# KiCad board yddraig030.kicad_pcb (continued)
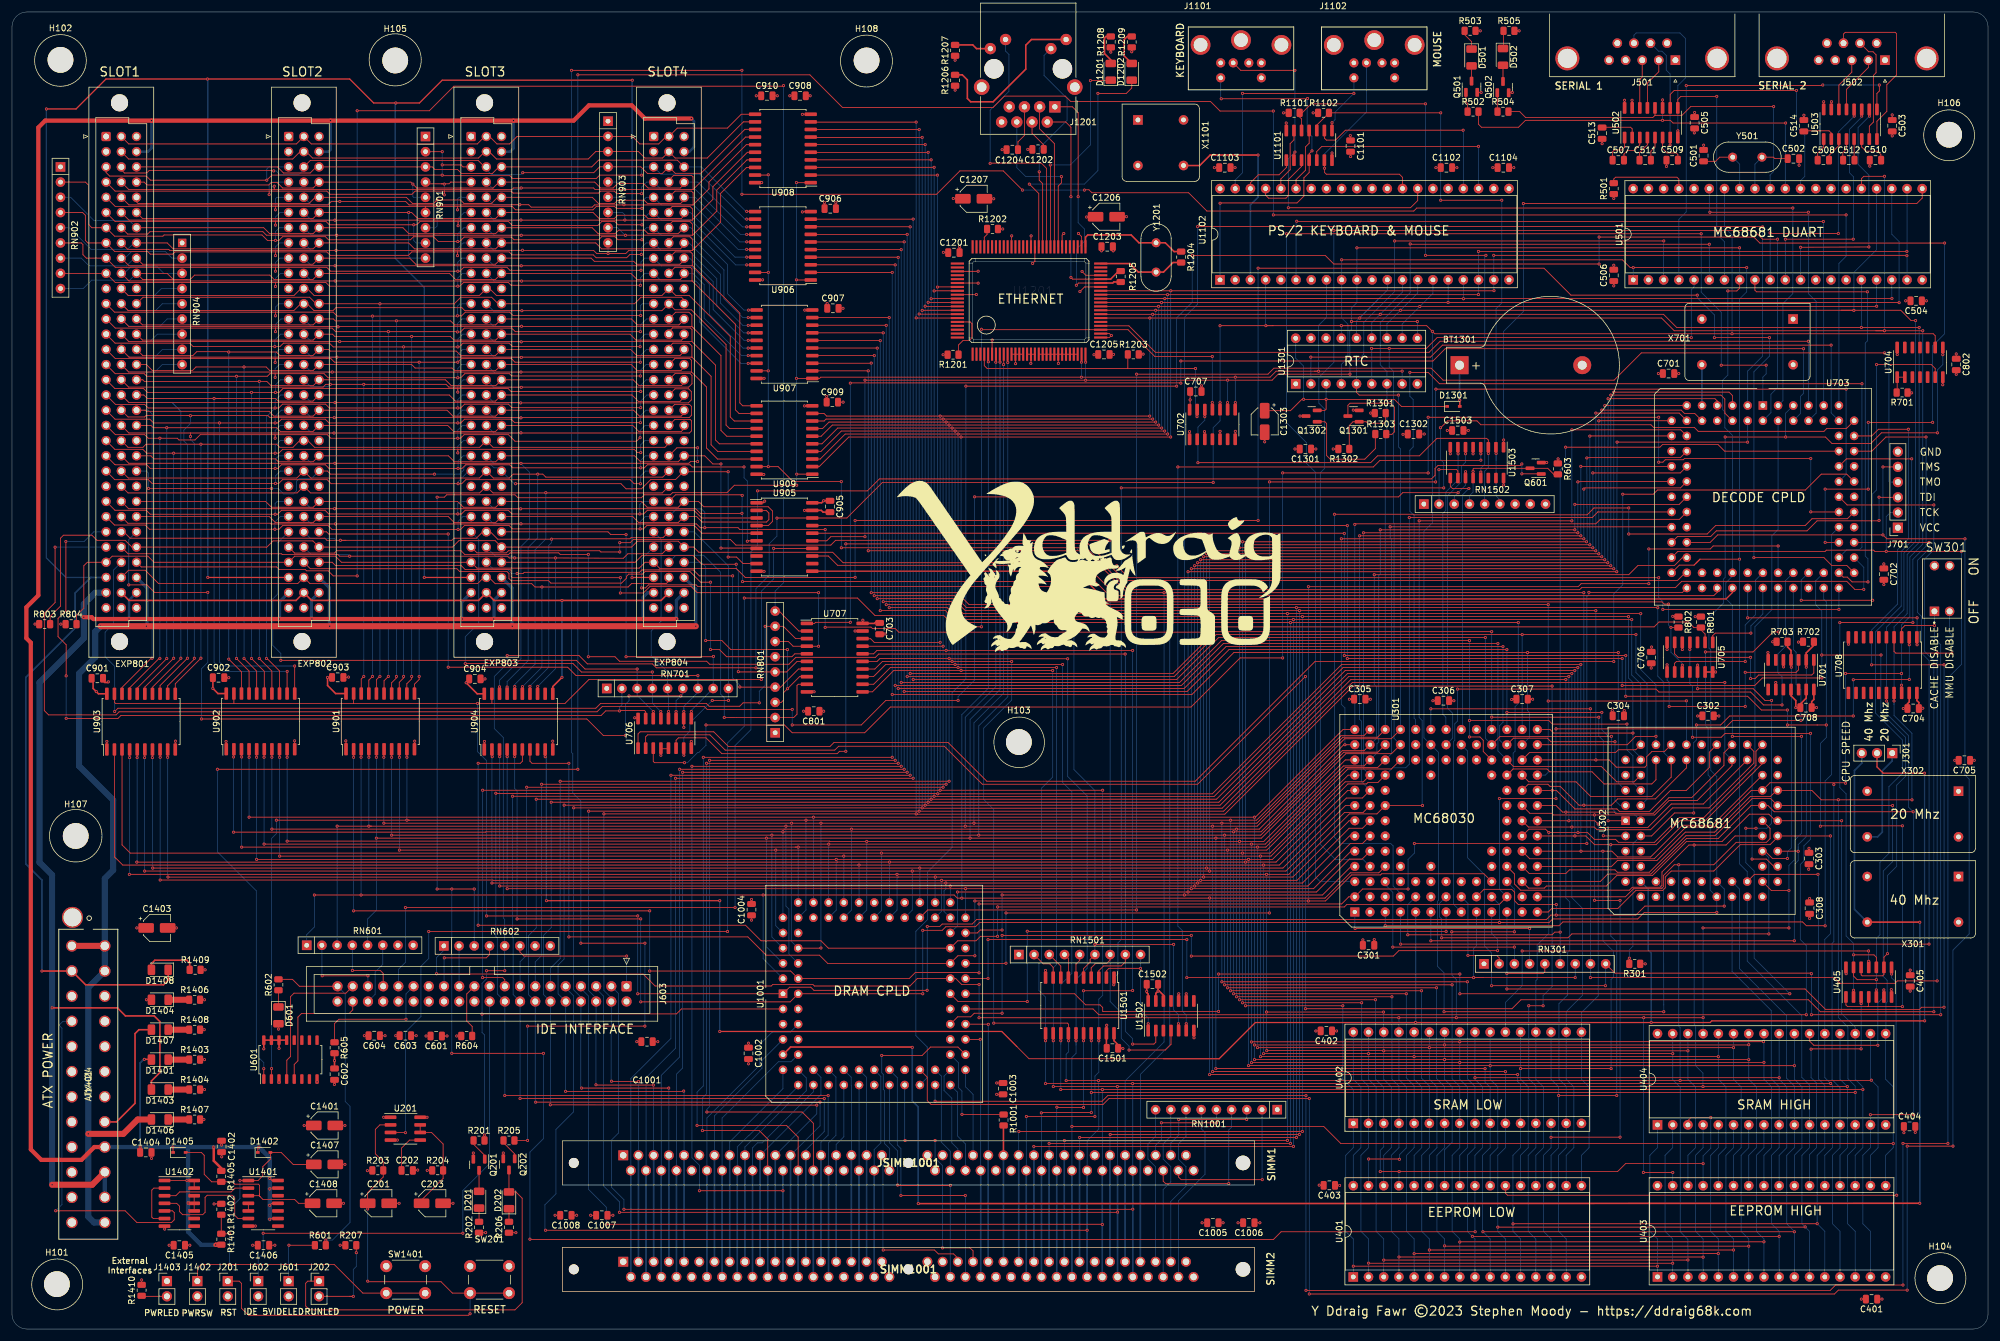
[diagram p0: board, top side]
## Routing (per net, layer and track width the routed paths; a pad name or vN(x,y) marks a point on that pad's centre or on a via; arc(x,y) is an arc through that point) (continued)
/CPU and FPU/SIZ0: length 318.5
  Top w0.127: U904.6 85.23,94.83 84.9,94.5 v1(77.85,94.5) ; v1(77.85,67.45) 122.5,67.45 125.1,64.85 135.1,64.85 136.33,63.62 U1001.50 157.93,64.85 161,64.85 161.75,65.6 v1(164.6,65.6) ; v1(257.85,88.6) v1(248.4,88.6) ; U301.L2 248.35,70.9 222.9,70.9 222.5,70.5 v1(164.6,70.5) ; v1(257.85,100.25) 285.95,100.25 287.35,101.65 v1(298.75,101.65)
  Bottom w0.127: v1(257.85,100.25) v1(257.85,88.6) ; v1(77.85,67.45) v1(77.85,94.5) ; U301.L2 248.4,73.45 v1(248.4,88.6) ; v1(164.6,70.5) v1(164.6,65.6) ; v1(298.75,101.65) 298.75,106.85 297.95,107.65 297.95,113.05 297.48,113.52 U703.47
/CPU and FPU/SIZ1: length 347.3
  Top w0.127: v1(160.8,62.35) 157.97,62.35 U1001.48 136.22,61.08 134.85,62.45 125.95,62.45 122.9,65.5 v1(93,65.5) ; v1(273.35,124.5) 262.05,124.5 261.55,124 v1(216.5,124) ; U301.K3 245.8,76.05 228.75,76.05 228.55,75.85 223.7,75.85 219.35,71.5 v1(216.5,71.5) v1(160.8,71.5) ; U904.7 86.5,94.85 86.85,94.5 v1(93,94.5) ; v1(294.95,130.8) 284.1,130.8 283.6,130.3 v1(273.35,130.3)
  Bottom w0.127: U703.46 294.94,130.79 v1(294.95,130.8) ; v1(93,65.5) v1(93,94.5) ; v1(273.35,124.5) v1(273.35,130.3) ; v1(160.8,71.5) v1(160.8,62.35) ; v1(216.5,71.5) v1(216.5,124)
/CPU and FPU/~{AS}: length 569
  Top w0.127: U704.8 v1(322.45,162.75) ; v1(104.5,69) v1(79.25,69) ; 57.05,104.5 37.05,104.5 ; 57.05,104.5 v1(77.75,104.5) 80.15,104.5 ; 57.05,104.5 57.06,104.5 U901.19 ; 37.05,104.5 17.3,104.5 17.1,104.7 17.1,106.1 U903.19 ; 37.05,104.5 37.06,104.5 U902.19 ; U904.19 80.15,104.5 ; 80.15,104.5 92.35,104.5 96.35,108.5 v1(125.15,108.5) ; v1(257.9,70.9) 251.56,70.9 250.95,71.51 250.95,72.95 250.45,73.45 245.82,73.45 U301.J2 ; v1(152.85,67.25) 154.95,67.25 155.35,67.65 160.35,67.65 161.1,68.4 256.25,68.4 257,69.15 v1(257.9,69.15) 271.2,69.15 272.7,70.65 v1(285.95,70.65) ; v1(286.1,149) 302.85,149 303.95,147.9 310.4,147.9 312.2,149.7 v1(321.55,149.7) ; v1(127.2,130.4) 127.21,130.39 U905.14 ; v1(152.82,56.57) 133.93,56.57 133.4,57.1 129.86,57.1 U1001.1 v1(104.5,56)
  Bottom w0.127: v1(127.2,130.4) 127.2,125.3 125.15,123.25 v1(125.15,108.5) ; v1(79.25,69) 79.25,94.95 77.75,96.45 v1(77.75,104.5) ; v1(152.82,56.57) 152.85,56.6 v1(152.85,67.25) ; v1(296.2,149) 296.2,152.98 U703.81 ; v1(104.5,56) v1(104.5,69) ; v1(257.9,70.9) v1(257.9,69.15) ; v1(322.45,162.75) 322.45,161.1 321.55,160.2 v1(321.55,149.7) ; v1(285.95,70.65) 285.95,73.5 U302.21 284.71,92.29 283.7,93.3 283.7,113.45 283.4,113.75 283.4,118.85 285.8,121.25 285.8,125.25 286.1,125.55 v1(286.1,149)
/CPU and FPU/~{AVEC}: length 165.5
  Top w0.127: U703.71 286.01,146.64 284.9,147.75 275.65,147.75 275.2,147.3 v1(259.45,147.3) ; v1(233.1,65.85) 257.2,65.85 257.65,66.3 v1(258.55,66.3)
  Bottom w0.127: RN301.6 258.55,61.03 v1(258.55,66.3) 258.55,143.55 259.45,144.45 v1(259.45,147.3) ; v1(233.1,65.85) 233.1,70.89 U301.E2
/CPU and FPU/~{BERR}: length 116.8
  Top w0.127: v1(295.6,104.25) 292.5,104.25 290.35,106.4 275.05,106.4 274.55,106.9 v1(241.4,106.9)
  Bottom w0.127: U301.H1 240.75,70.94 240.75,98.15 240.95,98.35 240.95,101.1 241.4,101.55 v1(241.4,106.9) ; v1(295.6,104.25) 295.6,108.95 294.9,109.65 294.9,112.75 296.15,114 296.15,124.99 U703.48
/CPU and FPU/~{CBACK}: length 129.8
  Top w0.127: v1(196.2,65.05) v1(163,65.05) ; 245.7,58.7 v1(196.2,58.7) ; 245.7,58.7 v1(261.05,58.7) ; 245.7,58.7 v1(244.1,58.7) ; v1(163,58.55) 162.99,58.54 U1001.45
  Bottom w0.127: v1(163,65.05) v1(163,58.55) ; v1(244.1,58.7) 244.05,58.75 244.05,63.5 244.57,64.02 U301.J1 ; v1(196.2,58.7) v1(196.2,65.05) ; RN301.7 261.06,58.72 v1(261.05,58.7)
/CPU and FPU/~{CBREQ}: length 115.8
  Top w0.127: v1(196.95,62.3) 230.7,62.3 231.6,63.2 v1(248.1,63.2) ; v1(165.35,52.75) 160.7,52.75 160.1,52.15 157.93,52.15 U1001.40 ; v1(196.95,65.75) v1(165.35,65.75)
  Bottom w0.127: v1(196.95,62.3) v1(196.95,65.75) ; v1(248.1,63.2) 248.1,65.1 247.11,66.09 U301.K1 ; v1(165.35,65.75) v1(165.35,52.75)
/CPU and FPU/~{CDIS}: length 203.4
  Top w0.127: RN301.9 267.69,59.45 300.4,59.45 v1(300.5,59.35) ; v1(321.05,117.5) 316.1,117.5 315.57,116.97 U708.3 ; v1(300.5,52.5) v1(322.1,52.5) ; v1(247.1,57.35) v1(266.1,57.35)
  Bottom w0.127: v1(322.1,52.5) 322.1,114.3 321.05,115.35 v1(321.05,117.5) SW301.1A ; U301.H12 243.05,96.58 243.05,78.75 245.9,75.9 245.9,64 247.1,62.8 v1(247.1,57.35) ; v1(300.5,59.35) v1(300.5,52.5) ; RN301.9 266.14,57.4 v1(266.1,57.35)
/CPU and FPU/~{CIIN}: length 215.9
  Top w0.127: v1(322.65,53.75) 318.9,53.75 318.55,53.4 307.25,53.4 307.25,53.4 302.85,53.4 299.45,56.8 v1(249.65,56.8) ; v1(249.65,59.4) 255.7,59.4 255.99,59.69 RN301.5 ; v1(322.65,110.95) v1(310.55,110.95) ; v1(316.7,150.3) 311.7,150.3 310.58,149.18 U703.72
  Bottom w0.127: v1(322.65,53.75) v1(322.65,110.95) ; U301.L1 249.65,59.4 v1(249.65,59.4) v1(249.65,56.8) ; v1(310.55,110.95) 310.55,116.75 314.9,121.1 314.9,130.21 316.7,132.01 v1(316.7,150.3)
/CPU and FPU/~{CS_FPU}: length 79.8
  Top w0.127: v1(290.6,78.5) 293,78.5 294.22,77.28 U302.29
  Bottom w0.127: v1(290.6,78.5) 290.6,92.65 291.07,93.12 291.07,117.32 293.9,120.15 293.9,132.5 294.94,133.54 U703.84
/CPU and FPU/~{DSACK0}: length 121
  Top w0.127: v1(299.65,110.55) 299.64,110.56 U701.2 ; v1(298.3,79.8) 298.28,79.82 U302.31 ; v1(297.65,64.85) v1(236.95,64.85)
  Top w0.254: R702.2 300.93,114.22 299.64,112.94 U701.2
  Bottom w0.127: v1(297.65,64.85) 297.65,77.6 298.3,78.25 298.3,80.5 ; v1(299.65,110.55) 299.65,82.25 298.3,80.9 298.3,80.5 ; v1(236.95,64.85) 236.95,64.85 U301.F1 ; 298.3,80.5 v1(298.3,79.8)
/CPU and FPU/~{DSACK1}: length 118
  Top w0.127: v1(293.4,66) 260.5,66 259.85,65.35 v1(238.75,65.35) ; v1(296.5,78.6) 294,78.6 292.78,79.82 U302.32 ; v1(297.15,110.55) 297.1,110.6 U701.4
  Top w0.254: R703.2 296.51,113.94 297.1,113.35 U701.4
  Bottom w0.127: v1(238.75,65.35) 238.75,68.5 238.4,68.85 238.4,71.11 U301.G2 ; v1(297.15,110.55) 297.15,80.35 296.5,79.7 v1(296.5,78.6) ; v1(293.4,66) 293.4,78.75 U302.32
/CPU and FPU/~{DS}: length 326.5
  Top w0.127: v1(284.71,69.59) 272.59,69.59 271.5,68.5 257.3,68.5 256.7,67.9 249.25,67.9 ; v1(83.95,95.6) 83.96,95.61 U904.5 ; v1(105,54.65) 129.95,54.65 U1001.2 v1(152.1,56) ; 249.25,67.9 161.6,67.9 160.9,67.2 155.95,67.2 155.35,66.6 v1(152.1,66.6) ; 249.25,67.9 v1(248.4,67.9) ; v1(105,68.5) v1(84.35,68.5) ; v1(295,116.45) 294.1,116.45 290.75,113.1 v1(282.8,113.1)
  Bottom w0.127: 282.8,112.3 v1(282.8,113.1) ; 282.8,112.3 282.8,100.8 283.25,100.35 283.25,92.55 283.6,92.2 283.6,73.31 U302.20 v1(284.71,69.59) ; 282.8,112.3 282.8,112.8 ; v1(105,54.65) v1(105,68.5) ; v1(248.4,67.9) 248.4,70.91 U301.K2 ; U703.45 294.94,116.51 v1(295,116.45) ; v1(152.1,56) v1(152.1,66.6) ; v1(83.95,95.6) 83.95,90.3 84.35,89.9 v1(84.35,68.5)
/CPU and FPU/~{FPUSENSE}: length 97.2
  Top w0.127: v1(270.1,61.95) 270.1,61.01 R301.2 ; v1(281.3,100.9) 285.35,100.9 286.85,102.4 v1(307.5,102.4) ; U302.4 273.81,82.36 277.65,86.2 v1(280.85,86.2) ; U708.2 316.85,115.54 v1(316.85,114.3) ; v1(316.85,108.5) 307.55,108.5 v1(307.5,108.45)
  Bottom w0.127: U302.4 270.7,81.05 270.7,63.95 270.1,63.35 v1(270.1,61.95) ; v1(307.5,108.45) v1(307.5,102.4) ; 316.85,108.7 316.85,109.15 ; 316.85,109.15 v1(316.85,108.5) ; 316.85,109.15 v1(316.85,114.3) ; v1(280.85,86.2) 280.85,97.95 281.3,98.4 v1(281.3,100.9)
/CPU and FPU/~{IPEND}: length 168.7
  Top w0.127: v1(233.45,159.8) 236.5,159.8 238.4,157.9 v1(308.95,157.9)
  Bottom w0.127: v1(233.45,159.8) 233.45,155.8 234,155.25 234,147.35 233.45,146.8 233.45,136.6 234.15,135.9 234.15,102.05 234.41,101.79 U301.E13 ; v1(308.95,157.9) 308.95,130.6 308.55,130.2 306.44,130.2 U703.57
/CPU and FPU/~{IPL0}: length 45.4
  Top w0.127: U1503.9 240.2,140.75 240.55,140.4 v1(243.3,140.4)
  Bottom w0.127: v1(243.3,140.4) 242.25,139.35 242.25,100.36 U301.H13
/CPU and FPU/~{IPL1}: length 48.5
  Top w0.127: U1503.7 241.5,147.27 v1(241.5,146.2)
  Bottom w0.127: U301.G13 239.45,100.18 239.45,102.2 238.95,102.7 238.95,136.25 239.45,136.75 239.45,139.8 241.5,141.85 v1(241.5,146.2)
/CPU and FPU/~{IPL2}: length 51.8
  Top w0.127: U1503.6 242.75,147.29 v1(242.75,146.2)
  Bottom w0.127: U301.G12 240.6,98.71 240.6,102.85 239.75,103.7 239.75,139.2 242.05,141.5 242.05,144.1 242.75,144.8 v1(242.75,146.2)
/CPU and FPU/~{MMUDIS}: length 208.4
  Top w0.127: U708.4 314.31,113.19 314.6,112.9 v1(321.5,112.9) v1(323.95,112.9) ; v1(263.6,58.7) 304.35,58.7 305.3,57.75 314.45,57.75 314.85,58.15 v1(321.5,58.15) ; v1(236.95,103.6) v1(263.6,103.6)
  Bottom w0.127: 263.61,60.04 263.61,58.71 v1(263.6,58.7) ; 263.61,60.04 263.61,103.59 v1(263.6,103.6) ; 263.61,60.04 RN301.8 ; U301.F13 236.95,103.6 v1(236.95,103.6) ; SW301.2A 323.59,116.31 323.95,115.95 v1(323.95,112.9) ; v1(321.5,112.9) v1(321.5,58.15)
/CPU and FPU/~{RESET}: length 644.1
  Top w0.127: 224.35,167.6 v1(222,167.6) ; 224.35,167.6 236.25,167.6 v1(237.2,166.65) 237.6,166.25 320.85,166.25 321.18,165.92 U704.9 ; 224.35,167.6 210.6,167.6 ; v1(124.25,110.45) 107.6,110.45 106.95,111.1 96.1,111.1 94.7,112.5 v1(82.7,112.5) ; v1(127.75,135.45) 127.78,135.47 U905.18 139.43,135.47 145.35,141.4 v1(200.6,141.4) ; v1(78.9,32.4) 78.91,32.39 R201.2 ; v1(82.3,59.85) v1(79.25,59.85) ; 210.6,167.6 v1(209.4,167.6) ; 210.6,167.6 v1(201.75,167.6) ; v1(201.75,154.75) 201.74,154.74 201.74,153.57 ; U1001.3 111.79,53.46 110.97,52.64 78.54,52.64 v1(78.5,52.6) ; v1(239.15,53) v1(275.85,53)
  Bottom w0.127: v1(127.75,135.45) 127.75,132.45 126.45,131.15 126.45,125.9 124.25,123.7 v1(124.25,110.45) ; U501.34 285.99,184.01 287.25,182.75 v1(287.25,166.25) ; v1(200.6,141.4) 200.6,150.55 201.75,151.7 201.75,155.15 ; v1(78.9,32.4) 78.9,49.15 78.5,49.55 v1(78.5,52.6) 78.5,57.75 79.25,58.5 v1(79.25,59.85) ; v1(201.75,167.6) 201.75,155.15 ; 201.75,155.15 v1(201.75,154.75) ; v1(275.85,53) 275.85,54.15 275.85,54.15 275.8,73.49 U302.13 ; U1102.4 209.36,167.64 v1(209.4,167.6) ; v1(237.2,166.65) 237.2,134.65 235.8,133.25 235.8,98.75 U301.F12 238.25,96.3 238.25,71.65 238.05,71.45 238.05,60.6 239.15,59.5 v1(239.15,53) ; v1(82.3,59.85) 82.28,59.87 RN602.5 82.28,68.42 82.05,68.65 82.05,98.8 80.55,100.3 80.55,109 82.7,111.15 v1(82.7,112.5) ; v1(222,167.6) U1301.15
/CPU and FPU/~{STERM}: length 98.4
  Top w0.127: v1(169.55,54.7) 158,54.7 U1001.44 ; v1(169.55,66.45) 169.6,66.4 v1(239.5,66.4)
  Bottom w0.127: U301.G1 239.49,66.41 v1(239.5,66.4) ; v1(169.55,66.45) v1(169.55,54.7)
/Decode and Logic/BOOTROM: length 68.2
  Top w0.127: v1(311.38,161.1) 320.52,161.1 321.18,160.44 U704.6 ; v1(298.8,121.73) v1(310.74,121.73)
  Bottom w0.127: v1(298.8,121.73) 298.8,125.1 U703.50 ; v1(310.74,121.73) 310.74,139.51 311.38,140.14 v1(311.38,161.1)
/Decode and Logic/CLK10: length 156.8
  Top w0.2: U905.11 177.76,126.58 182.4,121.95 286.25,121.95 287.32,123.02 U703.39
/Decode and Logic/EXPSEL0: length 247
  Top w0.127: 104.56,96.93 104.56,99.41 104.91,99.76 117.19,99.76 119.65,97.3 136.6,97.3 137.28,97.98 156.32,97.98 162.8,91.5 197.6,91.5 217.6,111.5 v1(267.5,111.5) ; U703.66 306.4,142.8 302.15,142.8 299.5,140.15 274.8,140.15 274.1,139.45 v1(269,139.45)
  Bottom w0.127: v1(269,139.45) 269,124.3 267.5,122.8 v1(267.5,111.5)
/Decode and Logic/EXPSEL1: length 388
  Top w0.127: 105.82,96.93 105.82,98.93 106.15,99.25 116.56,99.25 119.11,96.7 137.4,96.7 138.05,97.35 155.7,97.35 162.05,91 198,91 v1(216,109) ; v1(320.95,53) 302,53 300,55 252,55 250.5,53.5 v1(216,53.5) ; v1(320.95,137.65) 306.47,137.65 U703.65
  Bottom w0.102: 320.95,109.6 v1(320.95,53)
  Bottom w0.127: v1(216,109) v1(216,53.5) ; v1(320.95,137.65) 320.95,130.16 319.38,128.59 319.38,113.22 320.95,111.65 320.95,109.6
/Decode and Logic/EXPSEL2: length 267.5
  Top w0.127: v1(300.4,136.5) 300.42,136.48 U703.63 ; v1(115.9,100.9) 129,100.9 130.3,99.6 142.4,99.6 146.7,103.9 196.9,103.9 205.1,112.1 v1(212.2,112.1) ; v1(212.2,143) v1(236.5,143) ; U706.3 107.09,94.81 107.3,94.6 v1(112.3,94.6) ; v1(300.4,145.4) 279.3,145.4 279.1,145.2 276.1,145.2 275.7,144.8 v1(275,144.8) ; v1(236.5,152.3) v1(275,152.3)
  Bottom w0.127: v1(300.4,145.4) v1(300.4,136.5) ; v1(236.5,143) v1(236.5,152.3) ; v1(212.2,112.1) v1(212.2,143) ; v1(115.9,100.9) 115.9,97.5 114.7,96.3 114.5,96.3 112.8,94.6 v1(112.3,94.6) ; v1(275,152.3) v1(275,144.8)
/Decode and Logic/EXPSELEN: length 209.4
  Top w0.127: v1(139.25,96.5) 138.2,96.5 137.8,96.1 118.55,96.1 115.9,98.75 111.3,98.75 110.91,98.35 110.91,96.93 ; U703.34 279.42,126.32 278.15,125.05 185.85,125.05 179.7,131.2 159.25,131.2 159.2,131.15 v1(139.25,131.15)
  Bottom w0.127: v1(139.25,96.5) v1(139.25,131.15)
/Decode and Logic/INT_ETH: length 49.1
  Top w0.127: R1203.1 186.35,160.5 186.3,160.45 ; 186.3,160.45 162.85,160.45 162.38,160.93 U1201.4 ; 186.3,160.45 v1(197.65,160.45) ; 197.93,153.57 197.9,153.55 v1(197.9,152.4)
  Bottom w0.127: v1(197.65,160.45) 197.65,152.65 v1(197.9,152.4)
/Decode and Logic/RESET: length 285.1
  Top w0.127: v1(65.7,32.8) 65.67,32.83 U201.3 ; v1(161.9,117.3) 157.5,117.3 155.6,119.2 144.1,119.2 141.2,122.1 v1(122.3,122.1) ; v1(200.45,162.45) 190.85,162.45 186.38,166.93 U1201.33 161.97,166.93 v1(161.9,167) ; v1(200.45,154.75) 200.47,154.73 200.47,153.57 ; v1(69.6,66.4) v1(119.5,66.4)
  Bottom w0.127: v1(161.9,167) v1(161.9,117.3) ; v1(119.5,66.4) 119.5,97.9 122.3,100.7 v1(122.3,122.1) ; v1(200.45,154.75) v1(200.45,162.45) ; v1(65.7,32.8) 65.7,49.6 68.3,52.2 68.3,60.6 69.6,61.9 v1(69.6,66.4)
/Decode and Logic/RUN: length 475.2
  Top w0.127: v1(121.9,189.55) 154.4,189.55 158.3,193.45 165.55,193.45 v1(168.75,190.25) ; v1(95,64.45) v1(105.7,64.45) ; v1(86.1,31.5) R205.2 ; v1(121.9,210.25) v1(93.45,210.25) ; v1(179.1,190.25) 179.15,190.3 179.85,190.3 180.35,189.8 196.5,189.8 199.55,186.75 234.1,186.75 234.6,187.25 v1(297.4,187.25) ; v1(105.7,50.6) v1(86.1,50.6)
  Bottom w0.127: v1(95,64.45) 95,88.2 93.65,89.55 93.65,96.1 93.46,96.29 93.46,110.44 93.45,110.45 v1(93.45,210.25) ; v1(297.4,187.25) 297.4,172.95 295.75,171.3 295.75,155.07 U703.83 ; v1(86.1,50.6) v1(86.1,31.5) ; v1(105.7,64.45) v1(105.7,50.6) ; v1(121.9,189.55) v1(121.9,210.25) ; v1(179.1,190.25) v1(168.75,190.25)
/Decode and Logic/TCK: length 385.7
  Top w0.127: v1(154.15,38.05) 182.05,38.05 183,39 v1(216.1,39) ; v1(325.55,129.9) v1(313,129.9) 311.1,129.9 310.9,130.1 303,130.1 302.8,129.9 278.2,129.9 U703.30 ; v1(315.8,31) v1(323.3,31) ; v1(315.8,7.35) 304.55,7.35 303.65,6.45 v1(216.1,6.45)
  Bottom w0.127: U1001.30 154.16,38.06 v1(154.15,38.05) ; v1(315.8,7.35) v1(315.8,31) ; v1(216.1,39) v1(216.1,6.45) ; v1(325.55,129.9) 325.55,111 323.3,108.75 v1(323.3,31) ; J701.2 313.69,136.39 313,135.7 v1(313,129.9)
/Decode and Logic/TDI: length 43.2
  Top w0.127: U703.28 278.16,132.4 283.7,132.4 284.62,133.32 299.77,133.32 301.45,135 311.74,135 v1(311.8,135.06) ; v1(311.8,138.95) 311.82,138.93 J701.3
  Bottom w0.127: v1(311.8,135.06) v1(311.8,138.95)
/Decode and Logic/TDO: length 277.6
  Top w0.127: v1(187.8,70) 152.92,70 U1001.59 ; v1(312.7,163.05) 272.1,163.05 267.55,158.5 239,158.5 237,160.5 210.75,160.5 209.75,159.5 v1(187.8,159.5)
  Bottom w0.127: v1(187.8,70) v1(187.8,159.5) ; v1(312.7,163.05) 313.45,162.3 313.45,141.6 313.58,141.47 J701.4
/Decode and Logic/TMS: length 398.6
  Top w0.127: v1(312.45,144) 312.46,144.01 J701.5 ; v1(216.65,5.85) 304.35,5.85 305,6.5 v1(316.5,6.5) ; U1001.29 152.85,42.07 152.85,38.15 153.49,37.51 182.21,37.51 183.2,38.5 v1(216.65,38.5) ; U703.29 283.6,131.4 284.85,132.65 v1(312.45,132.65) 313.1,132 v1(326.15,132) ; v1(316.5,30.55) v1(324.15,30.55)
  Bottom w0.127: v1(216.65,38.5) v1(216.65,5.85) ; v1(312.45,132.65) v1(312.45,144) ; v1(324.15,30.55) 324.15,63.3 326.85,66 326.85,91.85 326.15,92.55 v1(326.15,132) ; v1(316.5,6.5) v1(316.5,30.55)
/Decode and Logic/~{CPLD_DSACK0}: length 16
  Top w0.127: U705.1 284.02,115.82 284.45,116.25 v1(290.4,116.25)
  Bottom w0.127: v1(290.4,116.25) 290.4,117.45 292.4,119.45 U703.43
/Decode and Logic/~{CPLD_DSACK1}: length 29.4
  Top w0.127: v1(289.45,111.5) 277.95,111.5 277.65,111.2 277.65,109.77 U705.9
  Bottom w0.127: v1(289.45,111.5) 289.45,117.6 291.15,119.3 291.15,125.07 U703.44
/Decode and Logic/~{CS_CARDPRD}: length 223.8
  Top w0.127: v1(140,158) 140.04,158.04 195.16,158.04 v1(195.2,158) ; v1(195.2,161.7) 237.3,161.7 239.35,163.75 v1(299.2,163.75) ; v1(140,118.05) 134.2,118.05 134.01,117.87 U707.1
  Bottom w0.127: v1(299.2,163.75) 299.2,156.3 298.68,155.78 298.68,152.92 U703.82 ; v1(195.2,158) v1(195.2,161.7) ; v1(140,118.05) v1(140,158)
/Decode and Logic/~{CS_DUART}: length 56.3
  Top w0.127: v1(300,186.55) v1(283.55,186.55)
  Bottom w0.127: U501.35 283.45,186.65 v1(283.55,186.55) ; U703.80 301.3,153 301.3,171.65 300,172.95 v1(300,186.55)
/Decode and Logic/~{CS_ETH}: length 131.5
  Top w0.127: U1201.34 186.53,167.57 190.95,163.15 236.65,163.15 238.5,165 v1(300,165)
  Bottom w0.127: v1(300,165) 300.02,164.98 U703.79
/Decode and Logic/~{CS_IDE}: length 496.1
  Top w0.127: v1(210.65,186.1) 210.66,186.09 306.29,186.09 v1(306.3,186.1) ; v1(210.65,203.45) 201.75,203.45 200.15,205.05 176.8,205.05 175.9,205.95 165.75,205.95 163.85,204.05 138.7,204.05 133.25,209.5 v1(94.5,209.5) ; v1(42.05,43.5) 42.06,43.5 42.06,42.43 ; v1(34.3,93.5) v1(94.5,93.5)
  Bottom w0.127: v1(306.3,186.1) 306.3,179.2 305.1,178 U703.75 ; v1(210.65,203.45) v1(210.65,186.1) ; v1(94.5,93.5) v1(94.5,209.5) ; v1(34.3,93.5) 34.3,79.7 40.8,73.2 40.8,45.65 40.85,45.6 40.95,45.6 42.05,44.5 v1(42.05,43.5)
/Decode and Logic/~{CS_INTERRUPT}: length 219.9
  Top w0.127: v1(239.1,140.5) v1(185.25,140.5) ; U703.74 306.32,150.4 303.05,150.4 302.6,149.95 281.6,149.95 280.95,150.6 274.15,150.6 273.7,151.05 245.3,151.05 244.65,151.7 239.75,151.7 238.6,150.55 v1(238.55,150.55) ; U1501.1 184,58.66 v1(184,57.5)
  Bottom w0.127: v1(238.55,150.55) 238.55,145.25 239.1,144.7 v1(239.1,140.5) ; v1(184,57.5) 184,58.7 184.05,58.7 184.7,59.35 184.7,64.5 185.25,65.05 v1(185.25,140.5)
/Decode and Logic/~{CS_KBD}: length 128.6
  Top w0.127: v1(302.5,185) 214.6,185 v1(214.55,185.05)
  Bottom w0.127: v1(302.5,185) 302.5,172.55 302.56,172.49 U703.77 ; v1(214.55,185.05) 214.44,184.94 U1102.6
/Decode and Logic/~{CS_ROM}: length 126.9
  Top w0.127: U703.70 310.59,146.64 312.95,149 v1(319.65,149) ; v1(305.25,118) v1(317.45,118) ; v1(307.55,62.5) 310.95,62.5 311.35,62.1 U405.10 ; v1(307.55,56.6) 307.54,56.59 U405.2
  Bottom w0.127: v1(317.45,118) 317.45,128.57 319.65,130.77 v1(319.65,149) ; v1(307.55,56.6) 307.55,61.85 ; 307.55,61.85 307.55,64.4 306.3,65.65 306.3,89.4 305.25,90.45 v1(305.25,118) ; 307.55,61.85 v1(307.55,62.5)
/Decode and Logic/~{CS_RTC}: length 105.4
  Top w0.127: v1(216.9,162.35) 236.9,162.35 238.9,164.35 v1(303.8,164.35)
  Bottom w0.127: v1(216.9,162.35) 216.92,162.33 U1301.2 ; U703.76 303.8,153.02 v1(303.8,164.35)
/Decode and Logic/~{CS_SRAM}: length 114.2
  Top w0.127: U405.5 v1(311.35,56.65) ; v1(317.25,145.35) 306.35,145.35 U703.69 ; v1(311.35,58.35) 308.15,58.35 307.54,58.96 U405.13
  Bottom w0.127: v1(311.35,56.65) v1(311.35,58.35) 311.35,65.25 311.95,65.85 311.95,77.95 313.45,79.45 313.45,90.6 315.7,92.85 315.7,98.4 311.2,102.9 311.2,116.45 315.5,120.75 315.5,129.9 317.25,131.65 v1(317.25,145.35)
/Decode and Logic/~{CS_STATUS}: length 39
  Top w0.127: 318.12,115.55 318.15,115.51 v1(318.15,114.3) ; v1(318.15,118.8) v1(289.85,118.8)
  Bottom w0.127: U703.41 289.86,118.81 v1(289.85,118.8) ; v1(318.15,118.8) v1(318.15,114.3)
/Decode and Logic/~{DSACK0_EXT}: length 306.7
  Top w0.127: v1(135.8,117.2) 135.85,117.25 143.45,117.25 143.7,117 147.5,117 148.1,116.4 199.93,116.4 200.81,117.29 274.24,117.29 275.05,118.1 279.95,118.1 280.88,117.18 R801.2 282.05,116.8 282.75,116.1 U705.2 ; 84.98,134.48 v1(54.03,134.48) 43.26,134.48 43.14,134.6 19.36,134.6 EXP801.B26 ; 84.98,134.48 v1(85,134.5) ; 84.98,134.48 114.32,134.48 114.95,133.85 v1(115.7,133.85) 121.25,133.85 121.55,133.55 v1(135.8,133.55)
  Bottom w0.127: EXP802.B26 49.96,134.48 v1(54.03,134.48) ; v1(135.8,117.2) v1(135.8,133.55) ; v1(85,134.5) 80.42,134.5 EXP803.B26 ; v1(115.7,133.85) 115.7,136.45 115.15,137 111,137 EXP804.B26
/Decode and Logic/~{DSACK1_EXT}: length 313.3
  Top w0.127: R802.2 277.07,117.18 v1(277.05,117.2) ; v1(122,124.85) 177.7,124.85 181.09,121.46 275.54,121.46 275.9,121.1 v1(276.65,121.1) ; U705.10 278.94,110.89 v1(278.95,110.9) ; EXP804.B25 110.81,139.35 121.85,139.35 v1(121.95,139.25) ; EXP801.B25 19.48,137.02 v1(53.88,137.02) 84.93,137.02 v1(84.95,137) 84.97,137.02 114.18,137.02 114.95,136.25 v1(121.9,136.25)
  Bottom w0.127: v1(122,124.85) 122,136.15 v1(121.9,136.25) v1(121.95,139.25) ; v1(53.88,137.02) 49.96,137.02 EXP802.B25 ; v1(276.65,121.1) 276.65,117.6 v1(277.05,117.2) 277.05,113.05 278.95,111.15 v1(278.95,110.9) ; v1(84.95,137) 80.46,137 EXP803.B25
/Decode and Logic/~{DTACK_DUART}: length 74.9
  Top w0.127: U501.9 291.07,173.53 291.35,173.25 v1(309.85,173.25) ; v1(309.95,124.8) 307.3,124.8 306.5,125.6 305.82,125.6 U703.55
  Bottom w0.127: v1(309.95,124.8) 309.95,128.65 309.5,129.1 309.5,164.7 309.85,165.05 v1(309.85,173.25)
/Decode and Logic/~{EXT_BERR}: length 410.1
  Top w0.127: v1(208.1,177.2) 255.85,177.2 260.35,172.7 v1(281.45,172.7) ; v1(140.8,125.55) 122.45,125.55 120.95,127.05 108.19,127.05 EXP804.A29 105.73,128.08 104.75,127.1 77.66,127.1 EXP803.A29 55.02,128.08 54,129.1 47.22,129.1 EXP802.A29 23.72,128.08 22.7,129.1 16.74,129.1 EXP801.A29 12.58,128.08 12,127.5 12,120.45 10.78,119.23 R804.2 ; v1(208.1,135.05) v1(140.8,135.05) ; U703.54 306.41,127.55 303.9,127.55 302.6,128.85 v1(290.9,128.85) ; v1(293.5,165.6) v1(284.3,165.6)
  Bottom w0.127: v1(140.8,135.05) v1(140.8,125.55) ; v1(284.3,165.6) 284.3,169.4 281.45,172.25 v1(281.45,172.7) ; v1(293.5,165.6) 293.5,162.5 290.9,159.9 v1(290.9,128.85) ; v1(208.1,177.2) v1(208.1,135.05)
/Decode and Logic/~{EXT_DBEN}: length 262.1
  Top w0.127: U909.19 124.35,144.05 v1(126.3,144.05) 127.95,144.05 130.45,141.55 v1(138.5,141.55) ; v1(138.5,130.5) 179.4,130.5 186.4,123.5 261.8,123.5 262.15,123.85 277.8,123.85 278.85,124.9 306.4,124.9 307.75,123.55 v1(309.25,123.55) ; v1(126.3,160.05) 126.29,160.06 U907.19 ; U906.19 v1(126.3,176.5) ; v1(126.3,192.8) 126.25,192.75 U908.19
  Bottom w0.127: v1(126.3,192.8) v1(126.3,176.5) v1(126.3,160.05) v1(126.3,144.05) ; v1(309.25,123.55) 309.25,127.25 U703.56 ; v1(138.5,130.5) v1(138.5,141.55)
/Decode and Logic/~{EXT_DTACK}: length 332.4
  Top w0.127: v1(184.5,127.5) 186.5,125.5 v1(275,125.5) ; R803.2 6.37,119.02 8.1,120.75 8.1,132.1 8.6,132.6 13.35,132.6 14.2,131.75 18.9,131.75 20.03,130.62 EXP801.C28 42.44,130.62 42.5,130.55 43.6,131.65 50.25,131.65 EXP802.C28 73.57,130.62 74.64,131.69 80.69,131.69 EXP803.C28 103.47,130.62 104.45,131.6 111.26,131.6 EXP804.C28 113.83,130.62 114.7,129.75 137.05,129.75 138.8,128 178.95,128 183.8,123.15 v1(184.5,123.15) ; v1(305.1,120.2) v1(275.7,120.2)
  Bottom w0.127: v1(305.1,120.2) U703.53 ; v1(184.5,123.15) v1(184.5,127.5) ; v1(275,125.5) 275,122.2 275.7,121.5 v1(275.7,120.2)
/Decode and Logic/~{EXT_PRD01}: length 283.5
  Top w0.127: RN801.9 128.13,119.92 128.7,119.35 128.7,119.3 131.41,116.59 U707.2 ; v1(57.65,125.8) 53.65,125.8 52.8,126.65 49.2,126.65 49,126.85 44.65,126.85 44.2,127.3 21.58,127.3 EXP801.C29 ; v1(128.85,207.7) 128.75,207.6 73.8,207.6 69.7,203.5 v1(57.65,203.5)
  Bottom w0.127: RN801.9 127.45,123.25 128.85,124.65 v1(128.85,207.7) ; v1(57.65,125.8) v1(57.65,203.5)
/Decode and Logic/~{EXT_PRD02}: length 105
  Top w0.127: EXP802.C29 53.47,128.08 54,127.55 75,127.55 75.7,126.85 83.2,126.85 83.38,126.67 83.38,125.72 83.6,125.5 v1(101.6,125.5) ; v1(134.7,123) 114.45,123 113.41,124.04 106.54,124.04 105.45,122.95 v1(101.6,122.95) ; RN801.7 129.66,114.84 130.44,114.06 U707.4 132.75,114.05 v1(134.7,114.05)
  Bottom w0.127: v1(134.7,123) v1(134.7,114.05) ; v1(101.6,125.5) v1(101.6,122.95)
/Decode and Logic/~{EXT_PRD03}: length 71.5
  Top w0.127: EXP803.C29 102.88,128.08 ; 102.88,128.08 104.08,128.08 105.2,129.2 113.75,129.2 115.2,127.75 v1(120.95,127.75) ; 102.88,128.08 103.82,128.08 103.85,128.05 ; U707.6 131.12,111.51 129.36,109.76 RN801.5 121.34,109.76 v1(121.3,109.8)
  Bottom w0.127: v1(121.3,109.8) 121.3,126.65 120.95,127 v1(120.95,127.75)
/Decode and Logic/~{EXT_PRD04}: length 44.9
  Top w0.127: U707.8 131.53,108.97 v1(129.5,106.95) 128.85,106.3 128.85,105.05 128.45,104.65 127.48,104.65 RN801.3 ; v1(129.5,113.5) 120.05,113.5 118.55,115 v1(115.85,115)
  Bottom w0.127: EXP804.C29 115.12,128.08 115.85,127.35 v1(115.85,115) ; v1(129.5,113.5) v1(129.5,106.95)
/Decode and Logic/~{EXT_PRD11}: length 156.4
  Top w0.127: v1(125.78,117.38) RN801.8 128.82,117.38 130.88,115.32 132.75,115.32 ; v1(124.8,104.6) 122.1,104.6 121.53,104.03 116.43,104.03 115.95,104.5 98.3,104.5 97.5,103.7 17.7,103.7 v1(17.15,103.15)
  Bottom w0.127: EXP801.B29 16.95,126.77 16.95,117.8 15.55,116.4 15.55,112.3 17.15,110.7 v1(17.15,103.15) ; v1(124.8,104.6) 124.8,106.54 125.78,107.52 v1(125.78,117.38)
/Decode and Logic/~{EXT_PRD12}: length 99.6
  Top w0.127: v1(116.65,113.5) 118.15,113.5 119.35,112.3 RN801.6 130.25,112.3 130.74,112.78 U707.5 ; EXP802.B29 49.82,127 74.3,127 74.75,126.55 82.65,126.55 83,126.2 83,125.35 83.35,125 89.6,125 90,124.6 101.8,124.6 102.65,125.45 102.65,125.75 103,126.1 105.3,126.1 105.75,126.55 107.4,126.55 107.4,126.54 113.21,126.54 115,124.75 v1(116.65,124.75)
  Bottom w0.127: v1(116.65,124.75) v1(116.65,113.5)
